# KiCad board coleco_original.kicad_pcb (continued)
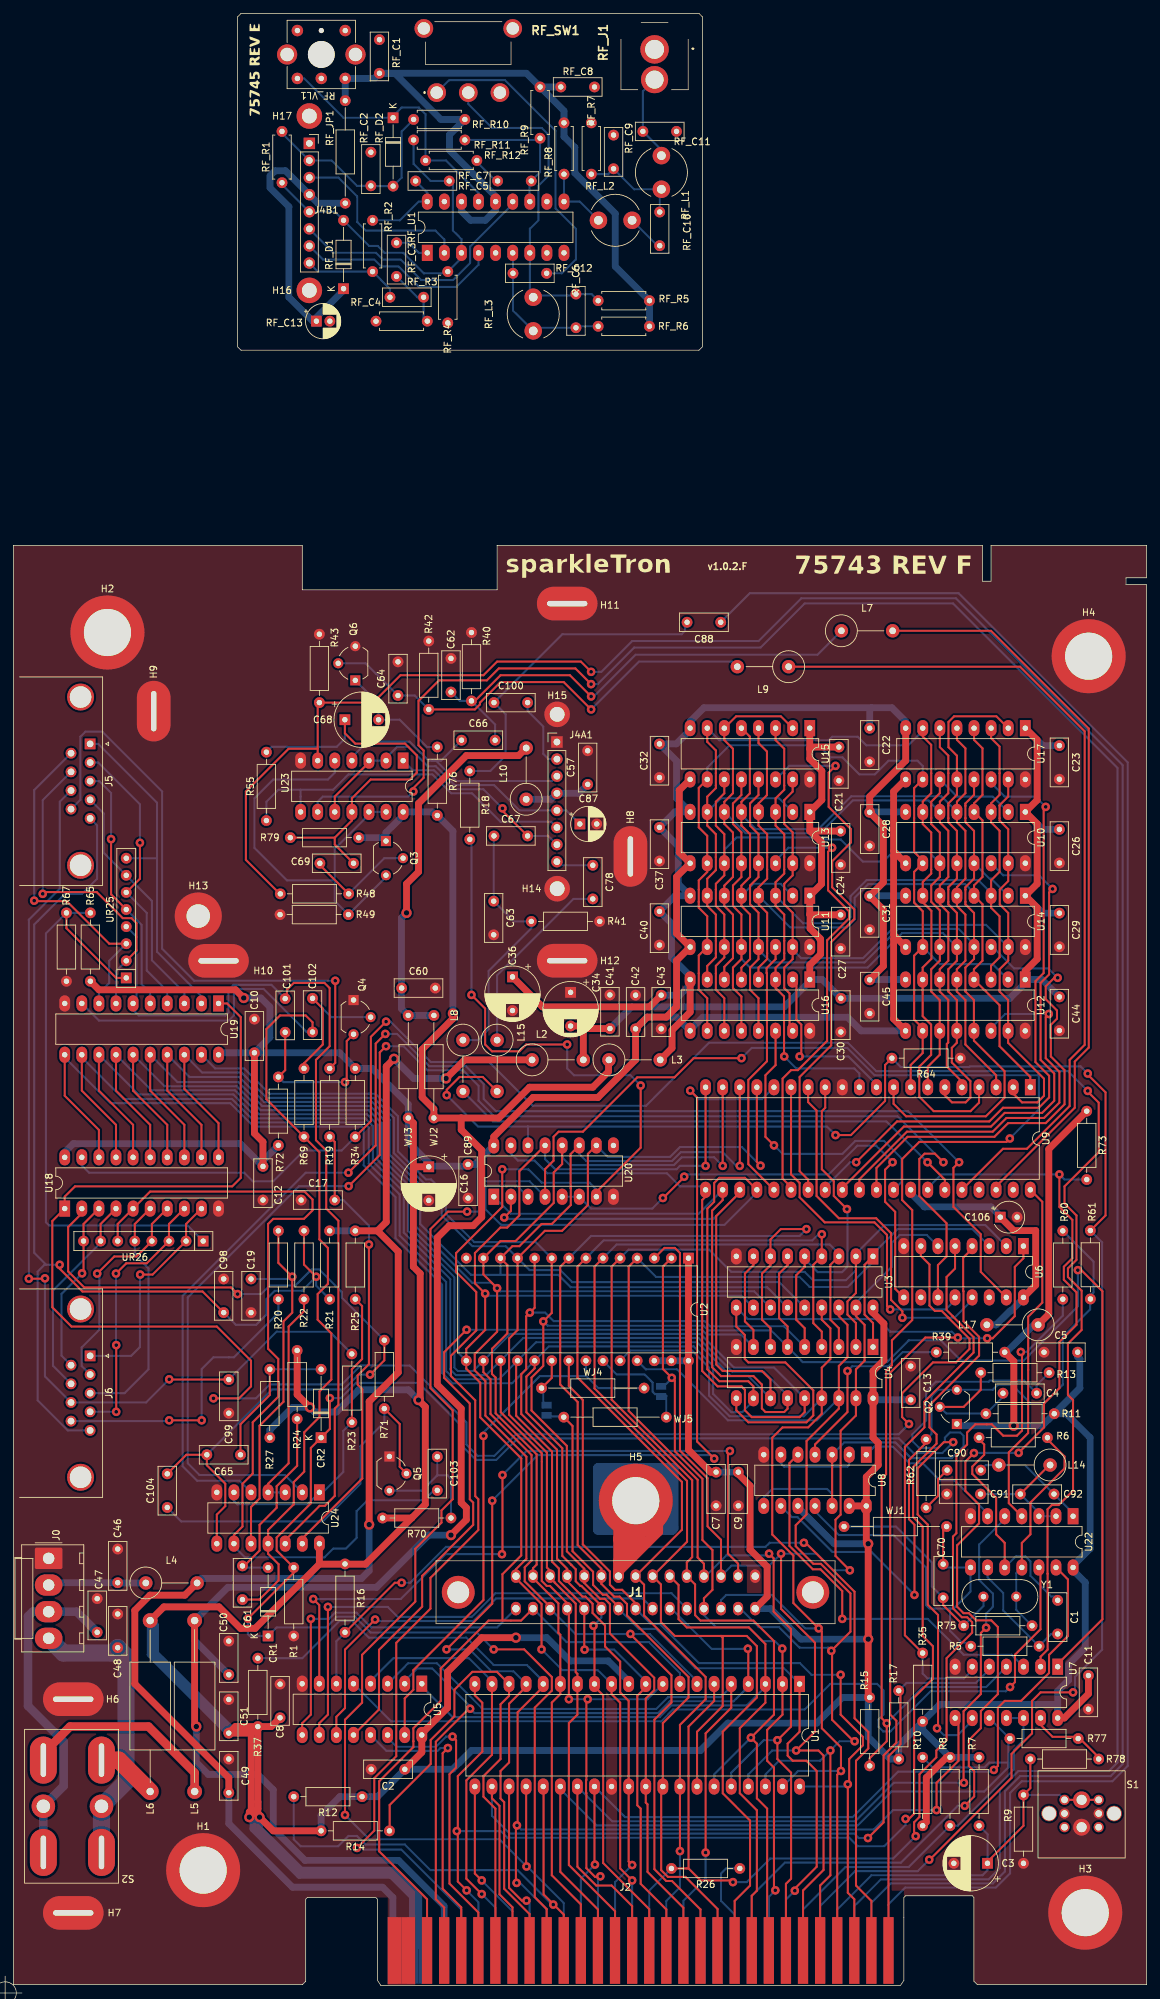
[diagram p0: board, top side]
## Footprints (pads in the part's own frame, mm; a bottom-side part is the same pattern mirrored in y, then rotated)
1101M2S3ABE2
  round 2.775 hole 1.85: 1(-9.4,0) 2(-4.7,0) 3(0,0) 4(-11.305,-9.53) 4(1.905,-9.53)
55308412_coleco
  oval 1.5x2 hole 1.1: 1(0,-4.826) 2(0,0) 3(-2.54,-4.826) 4(-2.54,0) 5(-5.08,-4.826) 6(-5.08,0) 7(-7.62,-4.826) 8(-7.62,0) 9(-10.16,-4.826) 10(-10.16,0) 11(-12.7,-4.826) 12(-12.7,0) 13(-15.24,-4.826) 14(-15.24,0) 15(-17.78,-4.826) 16(-17.78,0) 17(-20.32,-4.826) 18(-20.32,0) 19(-22.86,-4.826) 20(-22.86,0) 21(-25.4,-4.826) 22(-25.4,0) 23(-27.94,-4.826) 24(-27.94,0) 25(-30.48,-4.826) 26(-30.48,0) 27(-33.02,-4.826) 28(-33.02,0) 29(-35.56,-4.826) 30(-35.56,0)
  round 4.875 hole 3.25: MH1(8.57,-2.425) MH2(-44.13,-2.425)
C_Disc_D7.0mm_W2.5mm_P5.00mm
  round 1.6 hole 0.8: 1(0,0) 2(5,0)
Coleco_RST
  round 2.3 hole 2.05 unplated: (-4.826,-6.35) (4.826,-6.35)
  round 1.5 hole 1: 1(-2.54,-4.318) 1(2.54,-4.318) 2(-2.54,-6.35) 2(2.54,-6.35) 3(-2.54,-8.382) 3(2.54,-8.382)
  round 2.5 hole 1.5: 1(0,-4.318) 2(0,-8.382)
Colecovision_Expansion
  rect 2.032x9.906 smd: 1(-34.036,1.905) 2(-32.004,1.905)
  rect 1.524x9.906 smd: 3(-29.21,1.905) 4(-26.67,1.905) 5(-24.13,1.905) 6(-21.59,1.905) 7(-19.05,1.905) 8(-16.51,1.905) 9(-13.97,1.905) 10(-11.43,1.905) 11(-8.89,1.905) 12(-6.35,1.905) 13(-3.81,1.905) 14(-1.27,1.905) 15(1.27,1.905) 16(3.81,1.905) 17(6.35,1.905) 18(8.89,1.905) 19(11.43,1.905) 20(13.97,1.905) 21(16.51,1.905) 22(19.05,1.905) 23(21.59,1.905) 24(24.13,1.905) 25(26.67,1.905) 26(29.21,1.905) 27(31.75,1.905) 28(34.29,1.905) 29(36.83,1.905) 30(39.37,1.905)
  rect 1.524x9.906 smd far side: 31(39.37,1.905) 32(36.83,1.905) 33(34.29,1.905) 34(31.75,1.905) 35(29.21,1.905) 36(26.67,1.905) 37(24.13,1.905) 38(21.59,1.905) 39(19.05,1.905) 40(16.51,1.905) 41(13.97,1.905) 42(11.43,1.905) 43(8.89,1.905) 44(6.35,1.905) 45(3.81,1.905) 46(1.27,1.905) 47(-1.27,1.905) 48(-3.81,1.905) 49(-6.35,1.905) 50(-8.89,1.905) 51(-11.43,1.905) 52(-13.97,1.905) 53(-16.51,1.905) 54(-19.05,1.905) 55(-21.59,1.905) 56(-24.13,1.905) 57(-26.67,1.905) 60(-34.29,1.905)
  rect 2.032x9.906 smd far side: 58(-29.464,1.905)
  rect 1.778x9.906 smd far side: 59(-31.369,1.905)
CP_Radial_D5.0mm_P2.00mm
  rect 1.6x1.6 hole 0.8: 1(0,0)
  round 1.6 hole 0.8: 2(2,0)
CP_Radial_D5.0mm_P2.50mm
  rect 1.6x1.6 hole 0.8: 1(0,0)
  round 1.6 hole 0.8: 2(2.5,0)
CP_Radial_D8.0mm_P5.00mm
  rect 1.6x1.6 hole 0.8: 1(0,0)
  round 1.6 hole 0.8: 2(5,0)
CP_Radial_Tantal_D4.5mm_P2.50mm
  rect 1.6x1.6 hole 0.8: 1(0,0)
  round 1.6 hole 0.8: 2(2.5,0)
Crystal_HC49-U_Vertical
  round 1.5 hole 0.8: 1(0,0) 2(4.88,0)
D_DO-35_SOD27_P10.16mm_Horizontal
  rect 1.6x1.6 hole 0.8: 1(0,0)
  oval 1.6x1.6 hole 0.8: 2(10.16,0)
DIP-14_W7.62mm_LongPads
  rect 2.4x1.6 hole 0.8: 1(0,0)
  oval 2.4x1.6 hole 0.8: 2(0,-2.54) 3(0,-5.08) 4(0,-7.62) 5(0,-10.16) 6(0,-12.7) 7(0,-15.24) 8(7.62,-15.24) 9(7.62,-12.7) 10(7.62,-10.16) 11(7.62,-7.62) 12(7.62,-5.08) 13(7.62,-2.54) 14(7.62,0)
DIP-16_W7.62mm_LongPads
  rect 2.4x1.6 hole 0.8: 1(0,0)
  oval 2.4x1.6 hole 0.8: 2(0,-2.54) 3(0,-5.08) 4(0,-7.62) 5(0,-10.16) 6(0,-12.7) 7(0,-15.24) 8(0,-17.78) 9(7.62,-17.78) 10(7.62,-15.24) 11(7.62,-12.7) 12(7.62,-10.16) 13(7.62,-7.62) 14(7.62,-5.08) 15(7.62,-2.54) 16(7.62,0)
DIP-18_W7.62mm_LongPads
  rect 2.4x1.6 hole 0.8: 1(0,0)
  oval 2.4x1.6 hole 0.8: 2(0,-2.54) 3(0,-5.08) 4(0,-7.62) 5(0,-10.16) 6(0,-12.7) 7(0,-15.24) 8(0,-17.78) 9(0,-20.32) 10(7.62,-20.32) 11(7.62,-17.78) 12(7.62,-15.24) 13(7.62,-12.7) 14(7.62,-10.16) 15(7.62,-7.62) 16(7.62,-5.08) 17(7.62,-2.54) 18(7.62,0)
DIP-20_W7.62mm_LongPads
  rect 2.4x1.6 hole 0.8: 1(0,0)
  oval 2.4x1.6 hole 0.8: 2(0,-2.54) 3(0,-5.08) 4(0,-7.62) 5(0,-10.16) 6(0,-12.7) 7(0,-15.24) 8(0,-17.78) 9(0,-20.32) 10(0,-22.86) 11(7.62,-22.86) 12(7.62,-20.32) 13(7.62,-17.78) 14(7.62,-15.24) 15(7.62,-12.7) 16(7.62,-10.16) 17(7.62,-7.62) 18(7.62,-5.08) 19(7.62,-2.54) 20(7.62,0)
DIP-28_W15.24mm
  rect 1.6x1.6 hole 0.8: 1(0,0)
  oval 1.6x1.6 hole 0.8: 2(0,-2.54) 3(0,-5.08) 4(0,-7.62) 5(0,-10.16) 6(0,-12.7) 7(0,-15.24) 8(0,-17.78) 9(0,-20.32) 10(0,-22.86) 11(0,-25.4) 12(0,-27.94) 13(0,-30.48) 14(0,-33.02) 15(15.24,-33.02) 16(15.24,-30.48) 17(15.24,-27.94) 18(15.24,-25.4) 19(15.24,-22.86) 20(15.24,-20.32) 21(15.24,-17.78) 22(15.24,-15.24) 23(15.24,-12.7) 24(15.24,-10.16) 25(15.24,-7.62) 26(15.24,-5.08) 27(15.24,-2.54) 28(15.24,0)
DIP-40_W15.24mm_LongPads
  rect 2.4x1.6 hole 0.8: 1(0,0)
  oval 2.4x1.6 hole 0.8: 2(0,-2.54) 3(0,-5.08) 4(0,-7.62) 5(0,-10.16) 6(0,-12.7) 7(0,-15.24) 8(0,-17.78) 9(0,-20.32) 10(0,-22.86) 11(0,-25.4) 12(0,-27.94) 13(0,-30.48) 14(0,-33.02) 15(0,-35.56) 16(0,-38.1) 17(0,-40.64) 18(0,-43.18) 19(0,-45.72) 20(0,-48.26) 21(15.24,-48.26) 22(15.24,-45.72) 23(15.24,-43.18) 24(15.24,-40.64) 25(15.24,-38.1) 26(15.24,-35.56) 27(15.24,-33.02) 28(15.24,-30.48) 29(15.24,-27.94) 30(15.24,-25.4) 31(15.24,-22.86) 32(15.24,-20.32) 33(15.24,-17.78) 34(15.24,-15.24) 35(15.24,-12.7) 36(15.24,-10.16) 37(15.24,-7.62) 38(15.24,-5.08) 39(15.24,-2.54) 40(15.24,0)
DPDT_GF-626-0061
  oval 4x7 hole 0.8x5: 1(-4.318,-4.572) 3(-4.318,-18.288) 4(4.318,-4.572) 6(4.318,-18.288)
  round 3.5 hole 2: 2(-4.318,-11.43) 5(4.318,-11.43)
DSUB-9_Male_Horizontal_P2.77x2.84mm_EdgePinOffset7.70mm_Housed_MountingHolesOffset9.12mm
  round 4 hole 3.2: 0(-6.96,-1.42) 0(18.04,-1.42)
  rect 1.6x1.6 hole 1: 1(0,0)
  round 1.6 hole 1: 2(2.77,0) 3(5.54,0) 4(8.31,0) 5(11.08,0) 6(1.385,-2.84) 7(4.155,-2.84) 8(6.925,-2.84) 9(9.695,-2.84)
L_Axial_L11.0mm_D4.5mm_P7.62mm_Vertical_Fastron_MECC
  round 2 hole 1: 1(0,0)
  oval 2x2 hole 1: 2(7.62,0)
L_Axial_L12.8mm_D5.8mm_P25.40mm_Horizontal_Fastron_HBCC
  round 2.2 hole 1.1: 1(0,0)
  oval 2.2x2.2 hole 1.1: 2(25.4,0)
L_Radial_D7.5mm_P5.00mm_Fastron_07P
  round 2.6 hole 1.3: 1(0,0) 2(5,0)
Molex_KK-396_A-41791-0004_1x04_P3.96mm_Vertical
  rrect 3.16x4.1 hole 1.7: 1(0,0)
  oval 3.16x4.1 hole 1.7: 2(3.96,0) 3(7.92,0) 4(11.88,0)
MountingHole_2.2mm_M2_DIN965_Pad
  round 3.8 hole 2.2: 1(0,0)
MountingHole_3.5mm_Pad
  round 7 hole 3.5: 1(0,0)
MountingHole_7mm_M7
  round 11 hole 7: 1(0,0)
PinHeader_1x08_P2.54mm_Vertical
  rect 1.7x1.7 hole 1: 1(0,0)
  oval 1.7x1.7 hole 1: 2(0,-2.54) 3(0,-5.08) 4(0,-7.62) 5(0,-10.16) 6(0,-12.7) 7(0,-15.24) 8(0,-17.78)
PinSocket_1x08_P2.54mm_Vertical
  rect 1.7x1.7 hole 1: 1(0,0)
  oval 1.7x1.7 hole 1: 2(0,-2.54) 3(0,-5.08) 4(0,-7.62) 5(0,-10.16) 6(0,-12.7) 7(0,-15.24) 8(0,-17.78)
R_Array_SIP8
  rect 1.6x1.6 hole 0.8: 1(0,0)
  oval 1.6x1.6 hole 0.8: 2(2.54,0) 3(5.08,0) 4(7.62,0) 5(10.16,0) 6(12.7,0) 7(15.24,0) 8(17.78,0)
R_Axial_DIN0207_L6.3mm_D2.5mm_P7.62mm_Horizontal
  round 1.6 hole 0.8: 1(0,0)
  oval 1.6x1.6 hole 0.8: 2(7.62,0)
R_Axial_DIN0207_L6.3mm_D2.5mm_P10.16mm_Horizontal
  round 1.6 hole 0.8: 1(0,0)
  oval 1.6x1.6 hole 0.8: 2(10.16,0)
R_Axial_DIN0207_L6.3mm_D2.5mm_P15.24mm_Horizontal
  round 1.6 hole 0.8: 1(0,0)
  oval 1.6x1.6 hole 0.8: 2(15.24,0)
RCJ041_copy
  round 0.001 hole 2.476 unplated: (3.15,4.25) (3.15,-4.25)
  round 4.227 hole 2.818: S(0,0)
  round 4.039 hole 2.693: T(-4.5,0)
RF_MOUNT
  oval 9x5 hole 6x0.8: 1(0,-5.334)
SolderJumper-2_P1.3mm_Open_Pad1.0x1.5mm
  rect 1x1.5 smd: 1(-0.762,0) 2(0.762,0)
Sumida_73279
  round 1.7 hole 0.8: 1(3.556,3.556) 2(0,3.556) 3(-3.556,3.556) 4(-3.556,-3.556) 6(3.556,-3.556)
  round 1.524 hole 0.762: 5(0,-3.556)
  round 5 hole 4: 7(0,0)
  round 3 hole 2: S(-5.08,0) S(5.08,0)
SWITCH_MOUNT
  oval 9x5 hole 6x0.8: 1(0,-5.334)
TO-92_Wide
  rect 1.5x1.5 hole 0.8: 1(0,0)
  round 1.5 hole 0.8: 2(2.54,2.54) 3(5.08,0)

## Nets
+5V: C2.1 C5.2 C7.1 C8.2 C9.1 C10.1 C11.2 C12.1 C13.2 C16.1 C42.1 C51.1 C89.1 J1.30 J2.58 J2.59 L6.2 L17.1 Q2.1 R7.1 R8.1 R10.1 R11.2 R12.1 R14.2 R15.1 R16.1 R17.1 R24.1 R27.1 R34.2 R35.1 R37.1 R39.2 R65.1 R70.2 R72.2 R73.1 U1.11 U2.1 U2.26 U2.27 U2.28 U3.18 U4.18 U5.16 U7.14 U8.10 U8.13 U8.14 U10.9 U11.9 U12.9 U13.9 U14.9 U15.9 U16.9 U17.9 U18.20 U19.20 U20.16 U22.14 U24.14 WJ3.2
+5VD: C106.1 L17.2 U6.16 U9.33
+12V: C22.1 C28.1 C31.1 C32.1 C36.1 C37.1 C40.1 C43.1 C45.1 L3.2 U10.8 U11.8 U12.8 U13.8 U14.8 U15.8 U16.8 U17.8
+12VL: C50.2 J2.57 L3.1 L5.2 Q3.1 R76.2 R79.1 U23.14 WJ2.1
-5V: C21.1 C23.1 C24.1 C26.1 C27.1 C29.1 C30.1 C34.2 C41.2 C44.1 L2.2 U10.1 U11.1 U12.1 U13.1 U14.1 U15.1 U16.1 U17.1
-5VL: C49.2 J2.60 L2.1 L4.2 R21.2 R25.2
/rf_mod/sub_rf_mod/VDDF_JP: RF_C1.1 RF_C8.1 RF_JP1.1 RF_R5.1 RF_R6.2 RF_R8.2 RF_R9.1 RF_R10.1 RF_U1.14 RF_U1.16 RF_VL1.3
GND: H5.1 J1.13
GNDD: C2.2 C3.2 C5.1 C7.2 C8.1 C9.2 C10.2 C11.1 C12.2 C13.1 C16.2 C17.1 C19.1 C21.2 C22.2 C23.2 C24.2 C26.2 C27.2 C28.2 C29.2 C30.2 C31.2 C32.2 C34.1 C36.2 C37.2 C40.2 C41.1 C42.2 C43.2 C44.2 C45.2 C46.1 C47.1 C48.1 C49.1 C50.1 C51.2 C57.2 C60.2 C62.2 C63.2 C64.2 C87.2 C89.2 C91.1 C98.1 C99.2 C106.2 H1.1 H2.1 H3.1 H4.1 H6.1 H7.1 H8.1 H9.1 H10.1 H11.1 H12.1 H13.1 H14.1 H15.1 H16.1 H17.1 J0.1 J1.29 J2.1 J2.2 J4A1.1 J4B1.1 Q4.1 Q5.1 Q6.3 R1.1 R9.2 R40.2 R41.2 R42.2 R43.1 R49.2 R64.1 R67.1 RF_C1.2 RF_C2.1 RF_C8.2 RF_C9.2 RF_C11.2 RF_C13.2 RF_J1.S RF_R3.1 RF_R4.1 RF_R7.2 RF_U1.5 RF_VL1.S S1.2 U1.29 U2.14 U3.9 U4.9 U5.8 U6.8 U7.7 U8.7 U9.12 U10.16 U11.16 U12.16 U13.16 U14.16 U15.16 U16.16 U17.16 U18.10 U19.10 U20.8 U22.7 U23.7 U24.7
VDDA: C60.1 L10.2 WJ2.2 WJ3.1
VDDF: C57.1 J4A1.4 J4B1.4 L10.1 RF_C13.1 RF_D1.1 RF_JP1.2
+5C: C48.2 J0.4 S2.1 S2.2
+12C: C47.2 J0.3 S2.4 S2.5
-5C: C46.2 J0.2 L4.1
/clock_reset_misc_logic/AUX_DECODE_2: J2.30 R17.2 U7.5
/clock_reset_misc_logic/EXP_RESET: C3.1 J2.34 R7.2 R9.1 R78.2 S1.1
/clock_reset_misc_logic/INT: CR1.1 CR2.1 J2.10 R1.2 U7.9
/clock_reset_misc_logic/RESET: J2.36 R8.2 U7.11 U7.12
/clock_reset_misc_logic/RFSH: U5.5 U22.12
/clock_reset_misc_logic/SND_CLK: J2.35 L15.2 R61.1 R64.2 U20.14
/clock_reset_misc_logic/VDP_CLK: U9.40 U22.4
/clock_reset_misc_logic/~{AUX_DECODE_2}: R35.2 U6.5 U7.6
/clock_reset_misc_logic/~{CLK}: J2.45 R26.2 R60.1 U1.6
/clock_reset_misc_logic/~{CTRL_READ_2}: R34.1 U7.2 U18.19
/clock_reset_misc_logic/~{INT}: J2.51 R37.2 U1.16 U7.8
/clock_reset_misc_logic/~{M1}: J2.15 U1.27 U22.5
/clock_reset_misc_logic/~{RESET}: J2.13 R10.2 R77.2 U1.26 U7.10
/clock_reset_misc_logic/~{RFSH}: J2.49 U1.28 U22.13
/clock_reset_misc_logic/~{WAIT}: J2.50 R15.2 U1.24 U7.4 U20.4
/controller/~{CTRL_EN_1}: U6.11 U24.2
/controller/~{CTRL_EN_2}: U6.15 U24.5
/controller/~{CTRL_READ}: U6.7 U18.1 U19.1
/cpu/A0: J1.7 J2.47 U1.30 U2.10 U3.5 U4.5 U9.13
/cpu/A1: J1.9 J2.18 U1.31 U2.9 U3.6 U4.6 U7.1 U19.19
/cpu/A2: J1.11 J2.20 U1.32 U2.8 U3.7 U4.7
/cpu/A3: J1.15 J2.44 U1.33 U2.7 U3.4 U4.4
/cpu/A4: J1.17 J2.21 U1.34 U2.6 U3.3 U4.3
/cpu/A5: J1.21 J2.23 U1.35 U2.5 U3.2 U4.2 U6.2
/cpu/A6: J1.23 J2.24 U1.36 U2.4 U3.1 U4.1 U6.3
/cpu/A7: J1.25 J2.25 U1.37 U2.3 U3.17 U4.17 U6.6
/cpu/A8: J1.28 J2.26 U1.38 U2.25 U3.16 U4.16
/cpu/A9: J1.26 J2.27 U1.39 U2.24 U3.15 U4.15
/cpu/A10: J1.16 J2.28 U1.40 U2.21
/cpu/A11: J1.14 J2.37 JP1.2 U1.1 WJ5.1
/cpu/A12: J1.24 J2.38 JP2.1 U1.2 U2.2
/cpu/A13: J1.19 J2.22 U1.3 U5.1
/cpu/A14: J1.20 J2.4 U1.4 U5.2
/cpu/A15: J2.43 U1.5 U5.3
/cpu/D0: J1.5 J2.14 U1.14 U2.11 U3.14 U9.17 U18.11 U19.18 U20.10
/cpu/D1: J1.3 J2.12 U1.15 U2.12 U3.13 U9.18 U18.12 U19.17 U20.11
/cpu/D2: J1.1 J2.46 U1.12 U2.13 U3.12 U9.19 U18.13 U19.16 U20.12
/cpu/D3: J1.4 J2.3 U1.8 U2.15 U3.11 U9.20 U18.14 U19.15 U20.13
/cpu/D4: J1.6 J2.19 U1.7 U2.16 U4.14 U9.21 U18.15 U19.14 U20.15
/cpu/D5: J1.8 J2.48 U1.9 U2.17 U4.13 U9.22 U18.16 U19.13 U20.1
/cpu/D6: J1.10 J2.17 U1.10 U2.18 U4.12 U9.23 U18.17 U19.12 U20.2
/cpu/D7: J1.12 J2.16 U1.13 U2.19 U4.11 U9.24 U18.18 U19.11 U20.3
/cpu/~{BUSAK}: J2.52 U1.23
/cpu/~{BUSRQ}: J2.11 R12.2 U1.25
/cpu/~{HALT}: J2.7 R14.1 U1.18
/cpu/~{IORQ}: J2.55 U1.20 U6.4
/cpu/~{MREQ}: J2.54 U1.19 U5.4
/cpu/~{NMI}: J2.9 U1.17 U9.16
/cpu/~{RD}: J2.53 U1.21
/cpu/~{WR}: J2.8 U1.22 U3.10 U4.10 U6.1
/decoder_logic/AUX_DECODE_1: J2.29 R16.2 U5.6
/decoder_logic/~{CS_h2000}: J2.6 U5.14
/decoder_logic/~{CS_h4000}: J2.5 U5.13
/decoder_logic/~{CS_h8000}: J1.18 U5.11
/decoder_logic/~{CS_hA000}: J1.22 U5.10
/decoder_logic/~{CS_hC000}: J1.2 U5.9
/decoder_logic/~{CS_hE000}: J1.27 U5.7
/decoder_logic/~{CSR}: U6.12 U9.15
/decoder_logic/~{CSW}: U6.13 U9.14
/decoder_logic/~{RAM_CS}: U3.8 U4.8 U5.12
/decoder_logic/~{ROM_ENABLE}: U2.22 U5.15 WJ4.2
/decoder_logic/~{SND_ENABLE}: U6.9 U20.5 U20.6
/io_ports/EXT_SOUND: C88.1 J2.31
/io_ports/EXT_VIDEO: J2.33 U23.9
/io_ports/EXT_VIDEO_SEL: J2.32 R43.2 R48.1 U23.6
/io_ports/SND_OUT: J2.56 R18.2 U20.7
/io_ports/~{VDP_RESET}: J2.39 R73.2 U9.34
/psu/+5NF: L6.1 S2.3
/psu/+12NF: L5.1 S2.6
/rf_mod/B-Y: L8.2 U9.35
/rf_mod/R-Y: L7.2 U9.38
/rf_mod/sub_rf_mod/2: C100.2 J4A1.2 J4B1.2 RF_C2.2 RF_D2.2 RF_R1.2 RF_R10.2
/rf_mod/sub_rf_mod/3: C66.1 J4A1.3 J4B1.3 RF_U1.2 U23.4
/rf_mod/sub_rf_mod/5: C87.1 J4A1.5 J4B1.5 RF_C5.2 RF_D1.2 RF_R1.1 RF_R4.2 RF_R11.1 RF_U1.3 U23.2 U23.3 U23.10
/rf_mod/sub_rf_mod/6: J4A1.6 J4B1.6 R55.1 RF_U1.13 U23.8
/rf_mod/sub_rf_mod/7: C67.2 J4A1.7 J4B1.7 RF_U1.4 U23.1
/rf_mod/sub_rf_mod/8: C78.1 J4A1.8 J4B1.8 RF_C4.2 RF_R2.2
/rf_mod/Y: L9.1 U9.36
/video/AD0: U9.10 U16.2
/video/AD1: U9.9 U10.13 U11.13 U12.13 U13.13 U14.2 U14.13 U15.13 U16.13 U17.13
/video/AD2: U9.8 U10.10 U11.10 U12.2 U12.10 U13.10 U14.10 U15.10 U16.10 U17.10
/video/AD3: U9.7 U10.2 U10.11 U11.11 U12.11 U13.11 U14.11 U15.11 U16.11 U17.11
/video/AD4: U9.6 U10.12 U11.12 U12.12 U13.12 U14.12 U15.12 U16.12 U17.2 U17.12
/video/AD5: U9.5 U10.6 U11.6 U12.6 U13.6 U14.6 U15.2 U15.6 U16.6 U17.6
/video/AD6: U9.4 U10.7 U11.7 U12.7 U13.2 U13.7 U14.7 U15.7 U16.7 U17.7
/video/AD7: U9.3 U10.5 U11.2 U11.5 U12.5 U13.5 U14.5 U15.5 U16.5 U17.5
Net-(C1-Pad1): C1.1 R6.1 U22.10
Net-(C1-Pad2): C1.2 R5.2 U22.9
Net-(C17-Pad2): C17.2 R19.2 U24.13
Net-(C19-Pad2): C19.2 R20.2 U24.10
Net-(C62-Pad1): C62.1 C66.2 L7.1 R40.1
Net-(C63-Pad1): C63.1 C67.1 L8.1 R41.1
Net-(C68-Pad1): C68.1 C69.2 R55.2 R79.2 U23.11
Net-(C78-Pad2): C78.2 L15.1
Net-(C90-Pad1): C90.1 R62.2
Net-(C90-Pad2): C90.2 C92.2 L14.2 U22.1
Net-(C91-Pad2): C91.2 C92.1 L14.1 U22.2 U22.3
Net-(C98-Pad2): C98.2 J5.5 J6.5 R21.1 R22.1
Net-(C99-Pad1): C99.1 J5.8 J6.8 R23.1
Net-(C100-Pad1): C88.2 C100.1 R18.1
Net-(CR1-A): C61.1 CR1.2 R24.2
Net-(CR2-A): C65.1 CR2.2 R27.2
Net-(J2-Pin_40): J2.40 R26.1
Net-(J5-Pad9): J5.9 R19.1
Net-(J6-Pad9): J6.9 R20.1
Net-(JP1-A): JP1.1 U2.20 WJ4.1
Net-(JP2-B): JP2.2 U2.23 WJ5.2
Net-(Q2-B): C4.1 Q2.2 R11.1 R13.1
Net-(Q2-C): Q2.3 R60.2 R61.2 R62.1 U8.9
Net-(Q3-B): C69.1 Q3.2 R48.2
Net-(Q3-C): Q3.3 R49.1 U23.5 U23.12 U23.13
Net-(Q4-B): C102.1 Q4.2 R69.2
Net-(Q4-C): C101.1 Q4.3 R72.1
Net-(Q5-B): C104.1 Q5.2 R71.2
Net-(Q5-C): C103.1 Q5.3 R70.1
Net-(Q6-B): C64.1 L9.2 Q6.2 R42.1
Net-(Q6-E): C68.2 Q6.1 R76.1
Net-(R6-Pad2): R6.2 R75.1 U22.11 Y1.1
Net-(R22-Pad2): R22.2 U24.3 U24.4
Net-(R23-Pad2): R23.2 R25.1 U24.1 U24.6
Net-(R77-Pad1): R77.1 R78.1 U7.13
Net-(RF_C3-Pad2): RF_C3.2 RF_C4.1 RF_R3.2
Net-(RF_C7-Pad1): RF_C7.1 RF_R12.1
Net-(RF_C10-Pad1): RF_C10.1 RF_L2.2
Net-(RF_C10-Pad2): RF_C9.1 RF_C10.2 RF_L1.1 RF_R7.1
Net-(RF_C11-Pad1): RF_C11.1 RF_J1.T RF_L1.2
Net-(RF_D2-K): RF_D2.1 RF_R12.2 RF_U1.15 RF_VL1.1
Net-(RF_SW1-B): RF_C6.1 RF_L3.1 RF_R5.2 RF_SW1.2 RF_U1.7
Net-(RF_SW1-C): RF_C12.1 RF_SW1.3
Net-(RF_U1-CHB_OUTPUT): RF_L2.1 RF_R8.1 RF_U1.10
Net-(RF_U1-CHB_TANK1): RF_C6.2 RF_C12.2 RF_L3.2 RF_R6.1 RF_U1.6
Net-(RF_U1-CHROMA_LAG): RF_C5.1 RF_R2.1 RF_U1.18
Net-(RF_U1-CHROMA_LEAD): RF_C3.1 RF_U1.1
Net-(RF_U1-VIDEO_IN): RF_C7.2 RF_R9.2 RF_R11.2 RF_U1.12
Net-(U8A-C): C4.2 R13.2 U8.3 U8.8 U8.12
Net-(U8A-D): U8.2 U8.6
Net-(U8A-Q): U7.3 U8.5
Net-(U8A-~{R}): U8.1 U22.6
Net-(U8A-~{S}): R39.1 U8.4
Net-(U8B-C): C70.1 R5.1 U8.11 U22.8 WJ1.2
Net-(U10-Dout): U9.29 U10.14
Net-(U10-~{CAS}): U9.2 U10.15 U11.15 U12.15 U13.15 U14.15 U15.15 U16.15 U17.15
Net-(U10-~{RAS}): U9.1 U10.4 U11.4 U12.4 U13.4 U14.4 U15.4 U16.4 U17.4
Net-(U10-~{WRITE}): U9.11 U10.3 U11.3 U12.3 U13.3 U14.3 U15.3 U16.3 U17.3
Net-(U11-Dout): U9.25 U11.14
Net-(U12-Dout): U9.30 U12.14
Net-(U13-Dout): U9.26 U13.14
Net-(U14-Dout): U9.31 U14.14
Net-(U15-Dout): U9.27 U15.14
Net-(U16-Dout): U9.32 U16.14
Net-(U17-Dout): U9.28 U17.14
Net-(U18-A0): C65.2 C104.2 R71.1 U18.2 U24.8
Net-(U18-A1): J6.6 U18.3 UR26.8
Net-(U18-A2): J6.7 U18.4 UR26.7
Net-(U18-A3): C103.2 U18.5 U24.9 UR26.6
Net-(U18-A4): J6.3 U18.6 UR26.5
Net-(U18-A5): J6.2 U18.7 UR26.4
Net-(U18-A6): J6.4 U18.8 UR26.3
Net-(U18-A7): J6.1 U18.9 UR26.2
Net-(U19-A0): J5.1 U19.2 UR25.8
Net-(U19-A1): J5.4 U19.3 UR25.7
Net-(U19-A2): J5.2 U19.4 UR25.6
Net-(U19-A3): J5.3 U19.5 UR25.5
Net-(U19-A4): C101.2 U19.6 U24.12 UR25.4
Net-(U19-A5): J5.7 U19.7 UR25.2
Net-(U19-A6): J5.6 U19.8 UR25.3
Net-(U19-A7): C61.2 C102.2 R69.1 U19.9 U24.11
Net-(UR25-common): R65.2 R67.2 UR25.1 UR26.1
Net-(WJ1-A): C70.2 R75.2 WJ1.1 Y1.2

Pads without a net: J1 MH1 MH2; J2 41 42; J5 0; J6 0; RF_SW1 1 4; RF_U1 8 9 11 17; RF_VL1 2 4 5 6 7; S1 3; U6 10 14; U9 37 39; U20 9

## Via types
v1: diameter 1.524, hole 0.813, Top to Bottom, 16 vias
v2: diameter 1.27, hole 0.559, Top to Bottom, 164 vias

## Routing (per net, layer and track width the routed paths; a pad name or vN(x,y) marks a point on that pad's centre or on a via; arc(x,y) is an arc through that point)
+5V: length 1148.5
  Top w1.016: L6.2 22.35,56.26 30.55,56.26 33.74,53.07 35.92,53.07 45.47,62.61 ; 36.32,27.31 36.32,26.29 v1(35.05,25.02) 35.05,25.78 35.35,26.08 35.35,37.51 ; 36.32,27.31 R37.1 ; 36.32,27.31 36.32,25.27 v1(36.58,25.02) ; 131.12,155.8 130.81,155.49 130.81,143.64 U12.9 ; 131.12,155.8 U14.9 ; 131.12,155.8 130.81,156.1 130.81,167.94 131.12,168.25 ; 35.35,37.51 R37.1 ; 35.35,37.51 C51.1 32.98,38.48 R37.1 ; R37.1 38.31,38.48 C8.2 ; 45.47,62.61 U24.14 ; 45.47,62.61 52.32,62.61 59.22,69.5 ; U15.9 98.96,177.6 98.96,168.37 U13.9 98.55,164.74 98.55,156.33 U11.9 98.55,152.29 98.55,145.42 97.03,143.89 94.19,143.89 C42.1 92.46,137.54 86.87,131.95 77.22,131.95 71.39,126.13 U20.16 ; 59.22,69.5 59.18,69.47 R70.2 ; 59.22,69.5 61.21,71.5 61.21,85.98 v1(60.2,87) 60.45,87.25 60.45,105.79 59.44,106.81 59.44,118.96 ; v1(34.23,146.74) 33.01,147.96 12.7,147.96 R65.1 ; 36.07,25.78 36.58,25.27 v1(36.58,25.02) ; R73.1 153.87,124.28 153.87,99.76 L17.1 ; R10.1 135.67,24.29 135.67,30.9 138.68,33.91 R8.1 ; J1.30 112.01,57.79 112.01,62.23 109.47,64.77 109.47,74.26 107.44,76.29 ; C16.1 59.53,121.66 59.44,121.75 59.44,118.96 ; U8.14 126.75,75.57 128.52,77.34 128.52,80.65 127.75,81.42 U4.18 127.75,91.3 129.36,92.92 129.36,98.35 127.75,99.96 U3.18 ; U8.14 126.75,65.92 v1(127.03,65.64) 127.03,43.02 R15.1 ; U8.14 U8.13 ; 104.17,76.29 103.62,76.29 100.32,79.59 U2.28 U2.1 ; R39.2 148.68,92.75 148.68,83.21 v1(148.66,83.19) ; C11.2 159.77,43.34 156.18,39.75 U7.14 ; 59.44,118.96 59.44,128.14 WJ3.2 ; v1(36.58,25.02) 38.61,22.99 R14.2 ; v1(74.68,51.69) 69.6,51.69 64.52,46.61 64.52,41.28 60.69,37.45 U5.16 60.69,34.66 C2.1 ; C12.1 37.08,125.35 35.81,126.62 C10.1 ; 131.12,168.25 130.81,168.55 130.81,177.42 U17.9 ; 131.12,168.25 U10.9 ; R24.1 42.16,87.8 v1(44.06,85.9)
  Bottom w1.016: v1(74.68,51.69) 79.25,51.69 82.7,48.24 88.41,48.24 91.44,45.21 U1.11 ; C5.2 158.16,93.43 158.5,93.09 158.5,88.77 R11.2 ; U19.20 30.77,138.6 C10.1 ; v1(35.05,25.02) 35.59,24.48 35.59,23.28 42.49,16.38 56.13,16.38 59.31,13.21 59.31,5.21 ; L17.1 151.64,98.17 147.57,94.11 R39.2 ; C42.1 94.19,143.89 98.54,143.89 U16.9 100.57,142 102.44,143.87 123.97,143.87 125.98,141.86 U12.9 ; U8.10 116.59,71.06 122.01,65.64 v1(127.03,65.64) ; R7.1 R8.1 135.13,37.97 R35.1 ; C13.2 127.98,87.04 U4.18 ; v1(127.03,51.47) 117.06,51.47 112.52,56.01 J1.30 ; v1(148.66,83.19) 148.69,83.15 149.44,83.15 ; R35.1 131.57,35.69 R17.1 130.3,33.66 127.03,36.92 127.03,42.58 R15.1 123.19,42.8 119.38,38.99 106.17,38.99 102.11,34.93 68.07,34.93 65.28,32.13 C2.1 54.1,28.07 R12.1 48.51,28.07 45.72,25.27 R14.2 ; R35.1 137.67,41.78 155.19,41.78 U7.14 155.19,43.75 156.81,45.36 156.81,47.71 159.3,50.21 159.3,59.9 157.49,61.72 U22.14 157.49,62.36 160.02,64.9 160.02,81.41 156.46,84.96 R11.2 ; 107.44,76.29 104.17,76.29 ; R11.2 152.94,83.22 ; R72.2 37.08,122.56 C12.1 33.7,125.1 8.89,125.1 7.62,123.83 U18.20 ; Q2.1 140.47,83.19 152.91,83.19 ; U20.16 68.57,122.01 C89.1 67.31,121.75 61.82,121.75 C16.1 61.72,122.26 58.67,125.31 WJ3.2 58.67,130.94 53.34,136.27 R34.2 48.47,138.6 C10.1 ; 61.21,5.21 60.23,6.19 60.23,13.3 56.39,17.15 42.74,17.15 36.58,23.31 v1(36.58,25.02) ; v1(60.2,87) 58.67,88.52 51.31,88.52 48.01,85.22 44.75,85.22 v1(44.06,85.9) 41.47,85.9 38.1,82.54 R27.1 ; C10.1 38.1,140.88 38.1,145.42 36.78,146.74 v1(34.23,146.74) ; U2.26 U2.28 ; 20.39,54.23 L6.2 20.32,49.19 C51.1 32,38.48 21.12,49.37 21.12,53.5 20.39,54.23
+5VD: length 39.4
  Top w1.016: U6.16 151.93,104.08 151.93,112.18 148.66,112.18 C106.1
  Bottom w1.016: U9.33 133.34,117.73 135.38,115.7 145.29,115.7 146.67,114.32 C106.1 ; U6.16 150.1,102.11 148.23,100.24 148.12,100.24 146.05,98.17 L17.2
+12V: length 194.9
  Top w1.016: U17.8 132.6,182.01 127.25,176.66 C28.1 129.29,172.3 129.29,163.92 C31.1 129.29,159.85 129.29,151.47 C45.1 ; L3.2 97.88,139.3 97.88,141.95 100.57,144.64 U16.8 ; C43.1 94.53,145.42 78.62,145.42 C36.1
  Bottom w1.016: U17.8 132.6,187.82 130.56,189.87 127.51,189.87 ; C45.1 127.29,149.48 U12.8 ; 127.51,189.87 102.62,189.87 100.57,187.82 U15.8 100.57,186.55 98.51,184.49 C32.1 98.55,181.95 98.55,176.4 U13.8 98.31,174.38 C37.1 98.81,169.29 98.81,163.69 U11.8 98.34,161.93 C40.1 97.79,157.82 97.79,152.78 100.57,150 U16.8 100.57,148.7 99.02,147.15 C43.1 ; 127.51,189.87 127.25,189.61 C22.1 ; C28.1 127.3,174.38 U10.8 ; U14.8 127.3,161.93 C31.1
+12VL: length 295.3
  Top w1.016: v1(27.18,38.48) 26.92,38.74 L5.2 ; v1(65.02,66.93) 67.31,69.22 67.31,70.99 66.55,71.76 66.55,85.73 62.99,89.28 62.99,111.13 64.77,112.9 68.33,112.9 69.6,114.17 69.6,124.12 66.55,127.17 66.55,128.91 ; 66.55,128.91 WJ2.1 62.48,130.24 60.74,131.99 60.74,139.1 65.31,143.67 v1(65.31,144.43) ; 66.55,128.91 72.14,128.91 76.71,133.48 86.11,133.48 88.44,135.82 88.44,137.54
  Bottom w1.016: R76.2 65.31,171.54 v1(65.31,144.43) ; 62.99,173.61 62.22,174.39 U23.14 57.92,173.87 55.36,171.32 Q3.1 54.86,170.56 R79.1 ; v1(65.02,66.93) 61.72,66.93 53.96,59.17 31.86,59.17 L5.2 26.92,51.26 C50.2 ; 64.01,5.21 64.01,11.81 57.23,18.59 43.32,18.59 38.61,23.31 38.61,29.08 36.32,31.37 28.96,31.37 27.18,33.15 v1(27.18,38.48)
-5V: length 199.4
  Top w1.016: U16.1 118.35,151.63 119.96,153.24 119.96,155.38 119.86,155.48 119.92,155.54 118.4,157.06 118.4,159.09 ; L2.2 84.69,142.23 ; U15.1 118.35,183.78 ; 118.35,183.78 118.35,182.26 120.14,180.47 120.14,176.17 U13.1 118.35,171.59 118.4,171.54 ; 118.35,183.78 118.59,184.02 C21.1 ; 118.4,171.54 122.68,171.54 ; 118.4,171.54 120.09,169.85 120.09,163.67 U11.1 118.35,159.15 118.4,159.09 ; C41.2 84.74,142.19 84.36,142.57 C34.2 ; 118.4,159.09 C27.1 ; U12.1 150.37,150.75 152.15,152.53 152.15,160.17 U14.1 152.15,163.69 152.15,172.62 U10.1 152.15,176.14 152.15,185.07 U17.1
  Bottom w1.016: C29.1 152.97,159.35 U14.1 ; U17.1 152.98,184.24 C23.1 ; C44.1 152.87,149.48 U12.1 150.37,148.97 148.08,146.69 C30.1 122.97,146.72 120.21,149.48 U16.1 118.35,149.21 114.55,145.42 91.87,145.42 C41.2 ; C26.1 152.97,171.79 U10.1
-5VL: length 221.7
  Top w1.016: v1(56.55,137.7) 55.41,136.56 55.41,113.45 54.1,112.14 ; 54.1,112.14 57.18,109.06 57.18,91.09 52.87,86.78 v1(52.87,68.49) ; 54.1,112.14 R25.2 ; L4.2 25.48,58 20.29,58 18.03,55.75 18.03,44.83 32,30.86 C49.2 ; 64.3,134.78 67.06,137.54 L2.1
  Bottom w1.016: L4.2 27.96,60.49 51.73,60.49 52.87,61.63 v1(52.87,68.49) ; C49.2 32,24.07 41.47,14.61 54.86,14.61 56.39,13.08 56.39,5.21 ; R25.2 R21.2 ; v1(56.55,137.7) 59.47,134.78 v1(64.3,134.78)
/rf_mod/sub_rf_mod/VDDF_JP: length 119.3
  Bottom w1.016: RF_C1.1 53.63,283.37 RF_VL1.3 RF_JP1.1 ; RF_C1.1 76.23,284.13 RF_R9.1 ; RF_C1.1 56.67,284.13 63.52,277.28 RF_R10.1 64.8,274.99 64.8,272.7 71.66,265.85 RF_U1.14 71.66,263.81 70.14,262.29 67.94,262.29 66.58,263.65 RF_U1.16 ; 94.45,246.54 94.52,246.62 RF_R5.1 89.44,255.43 89.44,263.31 83.43,269.31 83.43,273.12 81.82,274.74 81.82,278.55 RF_R9.1 ; RF_R9.1 RF_C8.1
GND: length 147.7
  Top w1.524: 91.47,64.68 91.47,64.93 90.17,66.24 89.92,66.24 ; 91.47,64.68 89.92,63.12 89.92,60.83 ; 91.47,64.68 93.25,66.46 89.95,66.46 89.92,66.42 ; 89.92,60.83 89.92,66.24 ; 89.92,60.83 89.92,61.6 95.79,67.47 95.79,69.25 93,72.04 89.92,68.96 89.92,66.42 ; 89.92,66.24 89.92,66.42
  Bottom w1.524: 97.06,76.62 98.08,75.6 ; 97.06,76.62 97.06,76.87 ; 97.06,76.62 97.06,68.49 97.82,67.73 ; 98.08,75.6 98.08,67.98 97.82,67.73 ; 98.08,75.6 98.08,76.87 ; H5.1 90.97,72.04 87.92,69 87.92,76.87 ; 98.08,76.87 97.06,76.87 ; 98.08,76.87 89.7,76.87 ; 97.06,76.87 87.92,67.73 ; 87.92,76.87 92.74,72.04 93,72.04 92.24,72.04 87.92,67.73 ; 87.92,76.87 89.7,76.87 ; 87.92,76.87 92.49,72.3 87.92,67.73 ; 97.82,67.73 87.92,67.73 ; 87.92,67.73 86.9,67.73 86.9,76.87 89.7,76.87
VDDA: length 56.2
  Top w1.016: v1(58.42,159.39) 58.42,163.7 60.2,165.48 60.2,175.64 67.31,182.75 75.07,182.75 L10.2
  Bottom w1.016: WJ2.2 WJ3.1 57.66,145.16 57.66,158.62 v1(58.42,159.39)
VDDF: length 54.8
  Bottom w1.016: RF_JP1.2 45.25,264.83 J4B1.4 40.42,269.66 38.9,269.66 38.13,268.89 38.13,267.12 40.93,264.32 40.93,250.86 44.48,247.3 RF_C13.1 45.02,247.84 49.06,251.88 RF_D1.1 ; L10.1 79.88,176.26 J4A1.4 84.02,177.15 C57.1
+5C: length 44
  Bottom w2.54: J0.4 7.41,49.41 14.69,49.41 C48.2 16.73,48.97 16.73,30.29 S2.2 S2.1
+12C: length 50.4
  Bottom w1.27: S2.4 S2.5 7.46,29.65 7.46,36.25 2.16,41.54 2.16,54.87 2.85,55.55 J0.3 9.39,55.55 C47.2
-5C: length 14.3
  Bottom w1.016: J0.2 5.58,59.86 C46.2 15.53,59.82 19.42,59.82
/clock_reset_misc_logic/AUX_DECODE_2: length 54.6
  Top w0.305: R17.2 131.83,43.56 131.83,35.84 130.05,34.06 130.05,5.21
  Bottom w0.305: U7.5 145.03,46.97 143.03,44.97 132.72,44.97 R17.2
/clock_reset_misc_logic/EXP_RESET: length 72.7
  Top w0.305: S1.1 S1.1 S1.1 ; C3.1 144.76,18.4 150.11,23.75 R9.1 151.13,29.34 R78.2
  Bottom w0.305: S1.1 S1.1 155.48,28.32 R9.1 ; 122.43,5.21 122.43,11.3 127.51,16.39 144.02,16.39 144.76,17.13 C3.1 144.78,18.18 144.78,22.48 R7.2
/clock_reset_misc_logic/INT: length 291.5
  Top w0.305: v2(47.02,87.28) 47.02,82.71 CR2.1 44.2,79.88 44.2,71.65 39.12,66.57 39.12,64.64 R1.2 41.66,61.34 v2(34.83,54.52) ; v2(137.26,38.23) 137.41,38.38 137.41,55.06 135.89,56.59 135.89,68.48 134.38,69.99 134.38,76.85 138.27,80.74 v2(139.67,80.74) ; 79.25,5.21 79.25,11.37 77.48,13.14 77.48,41.28 80.01,43.82 80.01,45.85 75.91,49.95 v2(71.37,49.95)
  Bottom w0.305: U7.9 142.49,39.35 140.35,37.21 138.28,37.21 v2(137.26,38.23) ; v2(47.02,87.28) 48.65,87.28 50.92,89.55 60.18,89.55 66.55,83.19 66.55,80.29 68.73,78.11 71.75,78.11 74.95,81.31 131.57,81.31 133.76,79.12 138.05,79.12 v2(139.67,80.74) ; v2(71.37,49.95) 68.87,52.45 53.09,52.45 50.75,54.79 48.06,54.79 46.48,53.21 39.12,53.21 CR1.1 35.12,51.94 34.83,52.23 v2(34.83,54.52)
/clock_reset_misc_logic/RESET: length 56.8
  Bottom w0.305: 117.35,5.21 117.35,11.3 123.65,17.61 133.05,17.61 R8.2 140.33,23.75 148.68,32.11 148.68,35.02 150.11,36.45 U7.12 U7.11
/clock_reset_misc_logic/RFSH: length 131.8
  Top w0.305: U22.12 152.64,61.88 152.64,52.95 148.84,49.15 148.84,45.09 v2(148.12,44.36)
  Bottom w0.305: v2(148.12,44.36) 147.48,43.72 136.31,43.72 130.34,37.75 129.25,37.75 128.56,38.45 128.56,39.53 129.32,40.29 129.32,43.85 128.34,44.83 121.41,44.83 117.6,41.02 98.04,41.02 96.29,39.26 56.11,39.26 U5.5
/clock_reset_misc_logic/SND_CLK: length 278.2
  Top w0.305: v2(157.48,43.56) 152.65,43.56 151.38,42.29 151.38,37.47 148.34,34.42 148.34,30.86 136.18,18.7 v2(136.11,18.7) ; R64.2 129.54,136.78 129.54,131.45 124.46,126.37 v2(122.17,126.37) ; v2(64.39,132.3) 64.39,133.1 66.29,135 69.74,135 L15.2 ; R61.1 162.31,114.43 162.31,132.72 159.66,135.36 v2(159.66,135.51)
  Bottom w0.305: 76.47,124.83 76.47,127.62 76.45,127.64 ; v2(64.39,132.3) 69.06,127.64 76.45,127.64 ; v2(159.66,135.51) 158.6,136.58 142.14,136.58 142.03,136.47 131.88,136.47 R64.2 ; v2(136.11,18.7) 134.4,17 125.07,17 119.89,11.81 119.89,5.21 ; 76.45,127.64 120.9,127.64 v2(122.17,126.37) ; v2(157.48,43.56) 157.77,43.85 157.77,45.88 161.8,49.91 161.8,110.43 160.02,112.21
/clock_reset_misc_logic/VDP_CLK: length 52.1
  Top w0.305: U9.40 152.91,116.45 152.91,101.47 150.81,99.37 150.81,91.48 150.81,91.48 150.81,82.1 147.93,79.22 147.93,71.67 U22.4
/clock_reset_misc_logic/~{AUX_DECODE_2}: length 79.7
  Top w0.305: R35.2 132.49,52.04 132.49,80.04 135.38,82.93 135.38,86.74 142.7,94.06 142.7,96.34 139.57,99.47 139.57,99.48 138.68,100.37 138.68,105.28 139.94,106.54 U6.5
  Bottom w0.305: R35.2 135.13,46.36 135.86,45.63 141.26,45.63 142.49,46.86 U7.6
/clock_reset_misc_logic/~{CLK}: length 181
  Top w0.305: v2(106.93,15.37) 106.68,15.62 102.11,15.62 100.33,17.4 ; 100.33,17.4 R26.2 ; 100.33,17.4 100.33,38.48 104.13,42.29 U1.6 ; v2(149.72,94.14) 149.89,93.96 149.89,82.46 149.13,81.7 147.1,81.7 145.41,83.39 142.95,83.39 141.73,82.17 141.73,80.39 140.14,78.8 140.14,67.22 139.63,66.71 139.63,56.04 140.95,54.72 141.74,54.72 142.48,53.99 142.48,52.44 138.68,48.64 138.68,36.45 137.16,34.93 137.16,33.91 134.65,31.4 134.65,25.05 133.86,24.26 133.86,22.43 v2(134.09,22.2)
  Bottom w0.305: v2(134.09,22.2) 134.08,22.2 130.76,18.87 112.47,18.87 108.97,15.37 v2(106.93,15.37) ; R26.2 94.49,14.1 94.49,5.21 ; v2(149.72,94.14) 150.56,94.14 155.96,99.54 R60.1
/clock_reset_misc_logic/~{CTRL_READ_2}: length 275.1
  Top w0.305: v2(55.38,143.22) 55.37,143.22 53.12,140.97 53.12,128.43 R34.1 ; U7.2 152.65,48.86 153.7,49.91 153.7,61.18 153.69,61.2 153.69,70.76 154.33,71.4 155.34,71.4 157.48,73.53 157.48,87 156.72,87.76 156.72,95.38 158.75,97.41 158.75,103.25 156.72,105.28 156.72,106.55 157.99,107.82 157.99,114.43 156.21,116.21 156.21,118.75 161.29,123.83 161.29,131.19 159.66,132.82 v2(159.66,132.93)
  Bottom w0.305: U18.19 10.16,121.86 11.24,120.78 34.29,120.78 35.56,119.51 38.61,119.51 43.18,124.08 48.77,124.08 R34.1 ; v2(159.66,132.93) 156.73,135.86 128.24,135.86 124.02,140.08 103.38,140.08 94.01,130.72 77.18,130.72 70.68,137.22 62.05,137.22 56.04,143.22 v2(55.38,143.22)
/clock_reset_misc_logic/~{INT}: length 171.3
  Top w0.305: U1.16 78.74,44.41 74.93,40.61 74.93,23.9 v2(74.83,23.8) 74.68,23.64 74.68,15.36 v2(74.79,15.25) ; U7.8 140.45,39.26 140.45,33.39 137.19,30.13 v2(137.19,26.07)
  Bottom w0.305: 79.25,5.21 79.25,11.3 75.3,15.25 v2(74.79,15.25) ; U1.16 78.74,45.21 76.32,47.63 71.37,47.63 67.31,51.69 52.83,51.69 50.34,54.18 48.46,54.18 42.93,48.64 36.32,48.64 ; v2(74.83,23.8) 75.44,23.19 127.85,23.19 130.73,26.07 v2(137.19,26.07)
